# Altium PCB 03200904张晨05.PcbDoc
Units mil, origin at the board's own origin, x right, y up, seen from the top; angles counter-clockwise.
Board outline 1771.65 x 984.25 mil, 2 copper layers (Top Layer, Bottom Layer); 15 components, 36 nets, 101 pads, 15 vias.
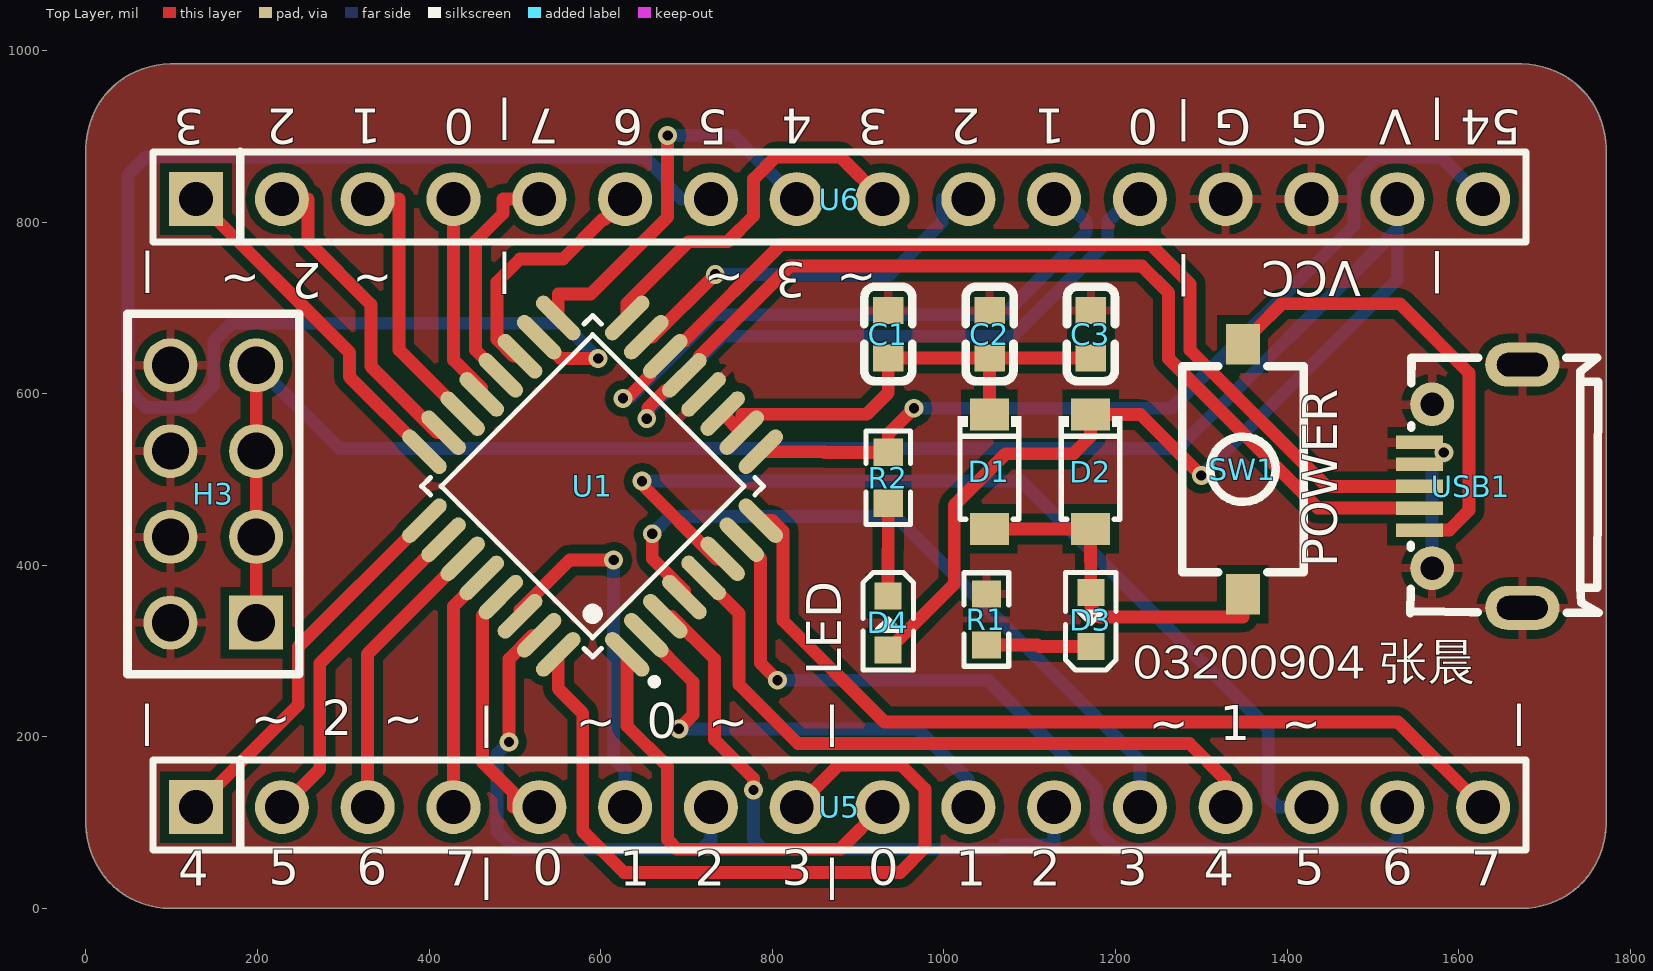
[diagram p0: Top Layer view]
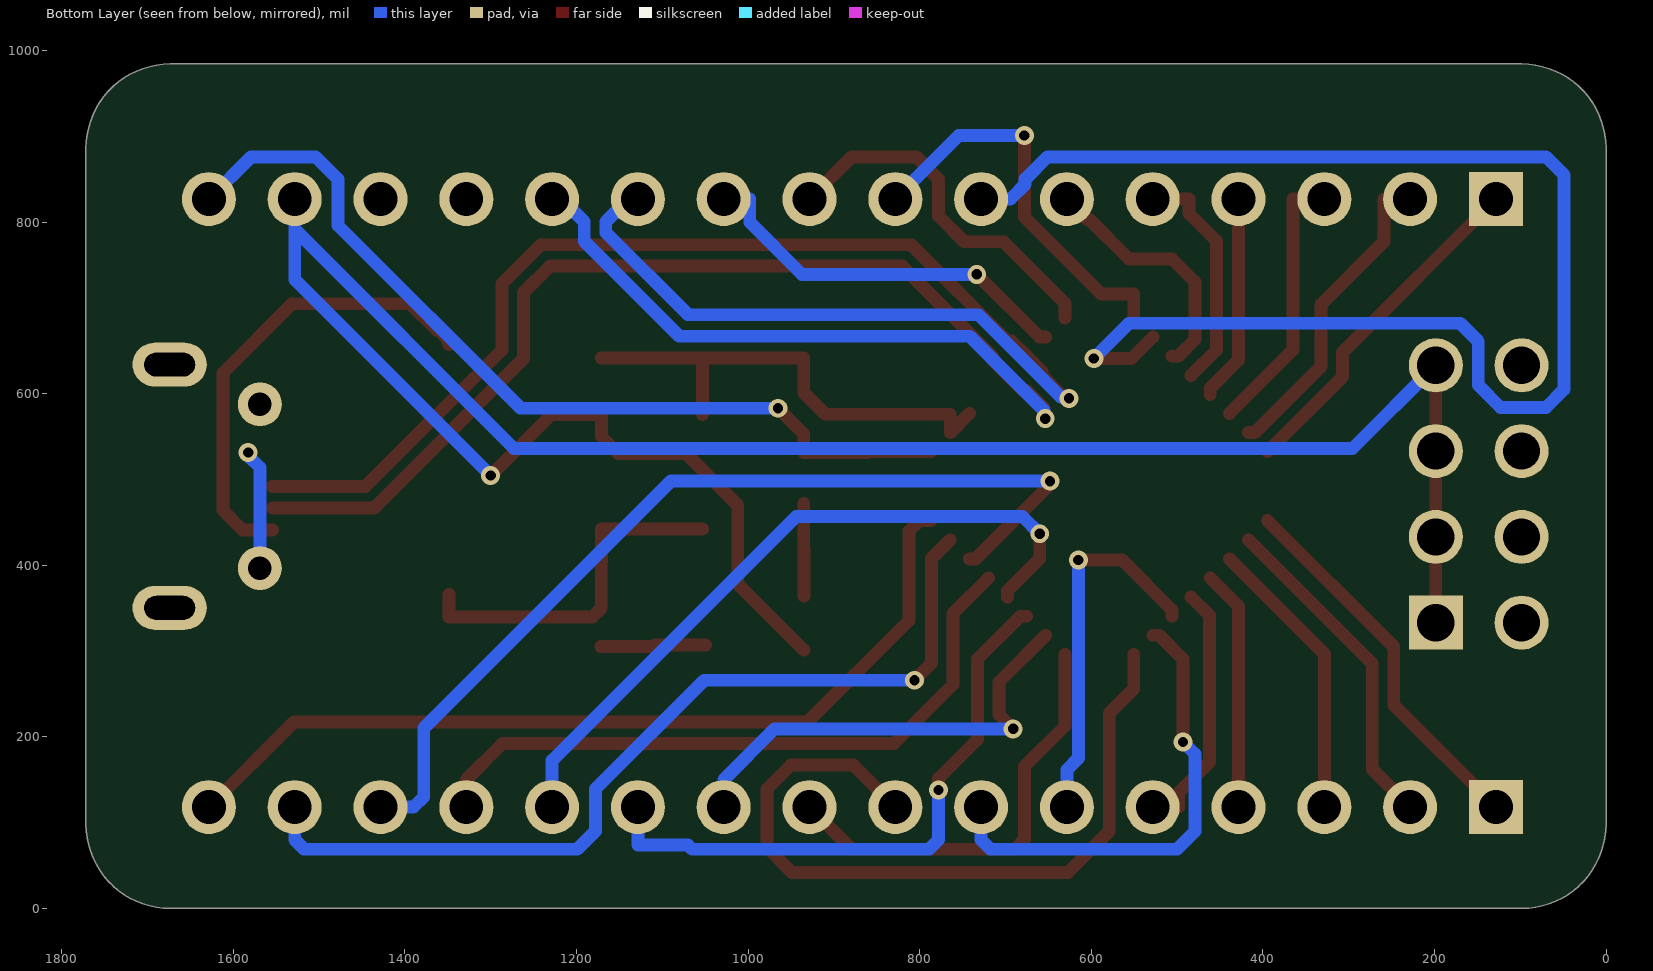
[diagram p1: Bottom Layer view, seen from below]

## Layer stack, top to bottom
Top Solder: solder mask 0.4, Solder Resist, Dk 3.5
Top Layer: signal copper 1.4
Dielectric 1: dielectric 12.6, FR-4, Dk 4.8
Bottom Layer: signal copper 1.4
Bottom Solder: solder mask 0.4, Solder Resist, Dk 3.5

## Board outline
0,98.43 ccw(c98.43,98.43) 98.43,0 1673.23,0 ccw(c1673.23,98.43) 1771.65,98.43 1771.65,885.83 ccw(c1673.23,885.83) 1673.23,984.25 98.43,984.25 ccw(c98.43,885.83) 0,885.83

## Design rules (kind name [scope] priority, off if disabled: settings)
Clearance [All] p1: gap=10 ignorepadtopadclearanceinfootprint=TRUE except(0: Arc-Hole Track-Hole SMDPad-Hole THPad-Hole Via-Hole Fill-Hole Poly-Hole Region-Hole Text-Hole)
DiffPairsRouting [All] p1: maxlimit=10 minlimit=10 mostfreqgap=10 toplayer_minwidth=15 toplayer_maxwidth=15 toplayer_prefwidth=15 bottomlayer_minwidth=15 bottomlayer_maxwidth=15 bottomlayer_prefwidth=15 maxuncoupledlength=500
PolygonConnect [All] p1: connectstyle=Relief reliefconductorwidth=10 reliefentries=4 polygonreliefangle="90 Angle" airgapwidth=10
RoutingVias [All] p1: holewidth=12 width=22 viastyle="Through Hole" minholewidth=12 minwidth=22 maxholewidth=12 maxwidth=22
SolderMaskExpansion [All] p1: expansion=4 istentingtop=FALSE
Width Width_1 [All] p1: maxlimit=20 minlimit=10 preferedwidth=15
Width VCC [InNetClass('vcc')] p2: maxlimit=20 minlimit=10 preferedwidth=15
Width signal [InNetClass('signal')] p3: maxlimit=10 minlimit=10 preferedwidth=10
29 further rules are at their usual default settings.

## Classes and differential pairs
net class signal: NetC1_2 NetD3_1 NetD4_1 P00 P01 P02 P03 P10 P11 P12 P13 P14 P15 P16 P17 P20 P21 P22 P23 P24 P25 P26 P27 P32 P33 P34 P35 P36 P37 P54 "USB N" "USB P"
net class gnd: GND
net class vcc: IN+5V VCC VCC-MCU
differential pair NewDifferentialPair1: +"USB P" -"USB N"

## Components (designator, comment, footprint, x,y, rotation, side; value= is the part's Value field where it differs from the comment)
C1 "Cap" C0603 935.04,669.29 r270 top value=10nF
C2 "Cap" C0603 1053.15,669.29 r270 top value=100nF
C3 "Cap" C0603 1171.15,669.29 r270 top value=100nF
D1 "1N5819W_C727115" SOD-123_L2.8-W1.8-LS3.7-RD 1053,509.04 r270 top
D2 "1N5819W_C727115" SOD-123_L2.8-W1.8-LS3.7-RD 1170.85,509.03 r270 top
D3 "LED0" LED0603 1171.26,336.6 r90 top
D4 "LED0" LED0603 934.83,332.7 r270 top
H3 "2.54-2*4" HDR-TH_8P-P2.54-V-F-R2-C4-S2.54 148.43,483.07 r90 top
R1 "Res1" R0603 1049.52,336.77 r270 top value=1K
R2 "Res1" R0603 935.04,501.97 r270 top value=1K
SW1 "TD-1111SR-2.5H-250" KEY-SMD_2P-L6.0-W3.6-P7.4-LS8.0-L 1348.43,511.81 r270 top
U1 "STC8H1K28-36I-LQFP32" STC8H1K28I-LQFP-32 590.55,492.13 r45 top
U5 "KH-2.54FH90-1X16P-H8.5" HDR-TH_16P-P2.54-V-F-B 878.35,118.11 r0 top
U6 "KH-2.54FH90-1X16P-H8.5" HDR-TH_16P-P2.54-V-F-B 878.35,826.77 r0 top
USB1 "MICROXNJ" MICRO-USB-SMD_MICROXNJ 1614.17,492.13 r90 top

## Footprints (in the part's own frame and the unit in brackets; to place one, negate y for a bottom-side part, rotate by r counter-clockwise, add the part's x,y. Pads: shape width x height; smd on the part's side, far side on the other; paste and mask are expansions set on the pad)
C0603 [mm]
  rect 0.8x0.9 smd: 1(-0.7,0) 2(0.7,0)
  silkscreen extent -1.41,-0.71 1.39,0.72
HDR-TH_8P-P2.54-V-F-R2-C4-S2.54 [mil]
  rect 62.99x62.99 hole 43.31: 1(-150,-50)
  round 62.99 hole 43.31: 2(-150,50) 3(-50,-50) 4(-50,50) 5(50,-50) 6(50,50) 7(150,-50) 8(150,50)
  silkscreen extent -210,-100 210,100
HDR-TH_16P-P2.54-V-F-B [mm]
  rect 1.6x1.6 hole 1: 1(-19.05,0)
  round 1.6 hole 1: 2(-16.51,0) 3(-13.97,0) 4(-11.43,0) 5(-8.89,0) 6(-6.35,0) 7(-3.81,0) 8(-1.27,0) 9(1.27,0) 10(3.81,0) 11(6.35,0) 12(8.89,0) 13(11.43,0) 14(13.97,0) 15(16.51,0) 16(19.05,0)
  silkscreen extent -20.32,-1.27 20.32,1.4
KEY-SMD_2P-L6.0-W3.6-P7.4-LS8.0-L [mm]
  rect 1.2x1 smd: 1(-3.7,0) 2(3.7,0)
  silkscreen extent -3.05,-1.8 3.05,1.8
LED0603 [mm]
  rect 0.8x0.8 smd: 1(-0.799,-0.003) 2(0.799,0.004)
  silkscreen extent -1.49,-0.75 1.39,0.76
MICRO-USB-SMD_MICROXNJ [mm]
  rect 0.4x1.4 smd: 1(-1.3,1.521) 2(-0.65,1.521) 3(0,1.521) 4(0.65,1.521) 5(1.3,1.521)
  round 1.3 hole 0.7: 6(2.425,1.149) 9(-2.425,1.149)
  oval 1.3x2.2 hole 0.7 slot 1.5 at 90 deg: 7(3.6,-1.521) 8(-3.6,-1.521)
  silkscreen extent -3.76,-3.78 3.8,1.79
R0603 [mil]
  rect 31.75x34.02 smd: 1(-29.65,0) 2(29.66,0)
  silkscreen extent -55,-26 55,26
SOD-123_L2.8-W1.8-LS3.7-RD [mm]
  rect 0.95x1.15 smd: 1(-1.693,0) 2(1.693,0)
  silkscreen extent -1.63,-0.94 1.41,0.94
STC8H1K28I-LQFP-32 [mm] "LQFP-32_L7.0-W7.0-P0.80-LS9.0-BL"
  oval 0.448x1.684 smd: 1(-2.8,-4.242) 2(-2,-4.242) 3(-1.2,-4.242) 4(-0.4,-4.242) 5(0.4,-4.242) 6(1.2,-4.242) 7(2,-4.242) 8(2.8,-4.242) 17(2.8,4.242) 18(2,4.242) 19(1.2,4.242) 20(0.4,4.242) 21(-0.4,4.242) 22(-1.2,4.242) 23(-2,4.242) 24(-2.8,4.242)
  oval 1.684x0.448 smd: 9(4.242,-2.8) 10(4.242,-2) 11(4.242,-1.2) 12(4.242,-0.4) 13(4.242,0.4) 14(4.242,1.2) 15(4.242,2) 16(4.242,2.8) 25(-4.242,2.8) 26(-4.242,2) 27(-4.242,1.2) 28(-4.242,0.4) 29(-4.242,-0.4) 30(-4.242,-1.2) 31(-4.242,-2) 32(-4.242,-2.8)
  silkscreen extent -3.58,-5.48 3.58,3.58

## Part data
C1 C2 C3: "Capacitor", LatestRevisionDate=17-Jul-2002, LatestRevisionNote="Re-released for DXP Platform.", PackageDescription="Radial Cap, Thru-Hole; 2 Leads; 0.3 in Pin Spacing", PackageReference=RAD-0.3, Published=8-Jun-2000, Publisher="Altium Limited"
D1 D2: BOM_JLCPCB Part Class="Extended Part", BOM_Manufacturer=TWGMC, BOM_Manufacturer Part=1N5819W, BOM_Supplier=LCSC, BOM_Supplier Part=C727115, Contributor=LCSC, spicePre=D, spiceSymbolName=1N5819W_C727115
D3 D4: library part LED, "Typical INFRARED GaAs LED", LatestRevisionDate=08-Jul-2005, LatestRevisionNote="Mech Layer 1 removed.", PackageDescription="LED; 2 Leads", PackageReference=LED-0, Published=8-Jun-2000, Publisher="Altium Limited"
H3: BOM_Manufacturer=ZHOURI(洲日), BOM_Manufacturer Part=2.54-2*4, BOM_Supplier=LCSC, BOM_Supplier Part=C2977588, Contributor=LCSC, link=https://atta.szlcsc.com/upload/public/pdf/source/20220328/363EB391BC0EB759CF231FC910753CBE.pdf, spicePre=U, spiceSymbolName=2.54-2*4
R1 R2: library part Res, "Resistor", LatestRevisionDate=17-Jul-2002, LatestRevisionNote="Re-released for DXP Platform.", PackageDescription="Axial Device, Thru-Hole; 2 Leads; 0.3 in Pin Spacing", PackageReference=AXIAL-0.3, Published=8-Jun-2000, Publisher="Altium Limited"
SW1: BOM_Manufacturer=DEALON(德艺隆), BOM_Manufacturer Part=TD-1111SR-2.5H-250, BOM_Supplier=LCSC, BOM_Supplier Part=C2905157, Contributor=LCSC, spicePre=S, spiceSymbolName=TD-1111SR-2.5H-250
U1: BOM_JLCPCB Part Class="Extended Part", BOM_Manufacturer="STC Micro", BOM_Manufacturer Part=STC8H1K28-36I-LQFP32, BOM_Supplier=LCSC, BOM_Supplier Part=C914618, Contributor=LCSC, spicePre=U, spiceSymbolName=STC8H1K28-36I-LQFP32
U5 U6: BOM_JLCPCB Part Class="Extended Part", BOM_Manufacturer=kinghelm(金航标), BOM_Manufacturer Part=KH-2.54FH90-1X16P-H8.5, BOM_Supplier=LCSC, BOM_Supplier Part=C2932686, Contributor=LCSC, spicePre=U, spiceSymbolName=KH-2.54FH90-1X16P-H8.5
USB1: BOM_JLCPCB Part Class="Extended Part", BOM_Manufacturer="SHOU HAN", BOM_Manufacturer Part=MicroXNJ, BOM_Supplier=LCSC, BOM_Supplier Part=C404969, Contributor=LCSC, spicePre=U, spiceSymbolName=MICROXNJ

## Via types
v1: diameter 22, hole 12, Top Layer to Bottom Layer, tented both sides, 15 vias

## Nets (pads, with @x,y where several pads share a name; then routed paths per layer and width w, separated by ;. In a path a pad name is that pad's centre, name@x,y a point inside that pad or via, vN(x,y) a via of type N, cw(c..) or ccw(c..) an arc to the next point about the centre after c; other vN are vias at no path point)
GND: C1.1 C2.1 C3.1 H3.2 H3.4 H3.6 H3.8 R1.1 U1.12 U6.13 U6.14 USB1.4 USB1.5 USB1.6 USB1.7 USB1.8 USB1.9 | length 148.3
  Bottom Layer w15: USB1.9@1566.93,389.76 1568.95,391.78 USB1.9 1568.95,513.83 1582.68,527.56 v1(1582.68,531.5)
IN+5V: SW1.1 USB1.1 | length 546.3
  Top Layer w15: SW1.1 1348.43,659.45 1350.39,661.42 1350.39,663.38 1360.61,673.6 1362.58,673.6 1393.7,704.72 1531.5,704.72 1612.04,624.18 1612.04,464.11 1589.09,441.16 1567.14,441.16 1566.93,440.94 USB1.1
NetC1_2: C1.2 C2.2 C3.2 D1.1 U1.10 U1.11 | length 577
  Top Layer w15: U1.11 U1.10 U1.10 764.32,576 910,576 935.04,601.04 C1.2 C2.2 ; D1.1 1053,608 1053.15,608.15 C2.2 ; C3.2 C2.2
NetD3_1: D3.1 R1.2 | length 122.7
  Top Layer w15: R1.2 1109,307.11 1110.98,305.13 D3.1
NetD4_1: D4.1 R2.2 | length 108.3
  Top Layer w15: D4.1 934.69,418 935.04,418.35 R2.2
P00: U1.29 U5.5 | length 299
  Top Layer w15: U1.29 462,341.3 462,171 498,135 498,118.11 U5.5
P01: U1.30 U5.6 | length 433.9
  Top Layer w15: U1.30 505.87,347.95 563.92,406 v1(615,406)
  Bottom Layer w15: v1(615,406) 615,175 628.35,161.65 U5.6
P02: U1.31 U5.7 | length 553.7
  Top Layer w15: v1(493,194) 493,290.54 520.82,318.36 U1.31
  Bottom Layer w15: v1(493,194) 479,180 479,90 500,69 717.35,69 728.35,80 U5.7
P03: U1.32 U5.8 | length 898.5
  Top Layer w15: U1.32 550.41,256 579,227.41 579,90 627,42 949,42 978,71 978,139.11 950,167.11 877.34,167.11 U5.8
P10: U1.1 U5.9 | length 510.9
  Top Layer w15: U1.1 630.7,212.67 678,165.36 678,80 689,69 879.24,69 U5.9
P11: U1.2 U5.10 | length 532.2
  Top Layer w15: U1.2 707.5,263.82 707.5,225.78 v1(691.04,209.32)
  Bottom Layer w15: v1(691.04,209.32) 969.02,209.32 1028.35,150 U5.10
P12: U1.3 U5.11 | length 708.6
  Top Layer w15: U1.3 682.56,340.63 732.5,290.68 732.5,196.95 778,151.45 v1(778,138)
  Bottom Layer w15: v1(778,138) 778,80 789,69 1065,69 1070,74 1128.35,74 U5.11
P13: U1.4 U5.12 | length 838
  Top Layer w15: v1(660,436.75) 660,407.73 697.51,370.22 U1.4
  Bottom Layer w15: v1(660,436.75) 680,456.75 943.89,456.75 1228.35,172.29 U5.12
P14: U1.5 U5.13 | length 786.5
  Top Layer w15: U1.5 761,343.95 761,261 829.89,192.11 1286.24,192.11 1328.35,150 U5.13
P15: U1.6 U5.14 | length 1119.8
  Top Layer w15: v1(648.17,498) 646.17,496 734.73,407.44 U1.6
  Bottom Layer w15: v1(648.17,498) 1090,498 1378,210 1378,130 1389.89,118.11 U5.14
P16: U1.7 U5.15 | length 1056.4
  Top Layer w15: U1.7 786,408.03 786,286 v1(806,266)
  Bottom Layer w15: v1(806,266) 1051.11,266 1178,139.11 1178,90 1199,69 1517.35,69 1528.35,80 U5.15
P17: U1.8 U5.16 | length 1041.1
  Top Layer w15: U1.8 800.28,451.98 812.26,440 812.26,335.74 930.89,217.11 1529.35,217.11 U5.16
P20: U1.21 U6.4 | length 241.3
  Top Layer w15: U6.4 428.35,639.38 461.32,606.4 U1.21
P21: U1.22 U6.3 | length 317.3
  Top Layer w15: U6.3 365,826.77 365,650.86 U1.22
P22: U1.23 U6.2 | length 372.5
  Top Layer w15: U6.2 259,826.77 259,777 332,704 332,632 409.46,554.54 U1.23
P23: U1.24 U6.1 | length 404.8
  Top Layer w15: U6.1 307,648.12 307,619.78 U1.24
P24: U1.25 U5.1 | length 444.1
  Top Layer w15: U5.1 247.42,237.19 247.42,304.89 U1.25
P25: U1.26 U5.2 | length 389.7
  Top Layer w15: U5.2 272.42,162.19 272.42,285.35 U1.26
P26: U1.27 U5.3 | length 335.2
  Top Layer w15: U5.3 328.35,296.73 U1.27
P27: U1.28 U5.4 | length 280.7
  Top Layer w15: U5.4 428.35,352.19 U1.28
P32: U1.15 U6.10 | length 457.7
  Top Layer w15: U1.15 660.29,665.9 v1(733.39,739)
  Bottom Layer w15: v1(733.39,739) 937,739 998,800 998,826.77 U6.10
P33: U1.16 U6.9 | length 431.1
  Top Layer w15: U1.16 630.7,705.35 702.34,777 748,777 778,807 778,850 804,876 879.12,876 U6.9
P34: U1.17 U6.8 | length 468.6
  Top Layer w15: U1.17 550.41,716.05 588.28,716.05 678,805.78 v1(678,900.77)
  Bottom Layer w15: v1(678,900.77) 754.35,900.77 U6.8
P35: U1.18 U6.7 | length 1685.4
  Top Layer w15: U1.18 553.03,641 v1(597,641)
  Bottom Layer w15: v1(597,641) 555.93,682.07 170,682.07 149,661.07 149,610 123,584 70,584 49,605 49,855 70,876 651,876 677,850 677,844 694.23,826.77 U6.7
P36: U1.19 U6.6 | length 291.2
  Top Layer w15: U1.19 498.54,643.63 479,663.17 479,730 506,757 556,757 601.78,802.78 604.35,802.78 U6.6
P37: U1.20 U6.5 | length 273.3
  Top Layer w15: U1.20 454,650.95 454,778 486,810 486,826.77 U6.5
P54: R2.1 U1.9 U6.16 | length 1049.2
  Top Layer w15: U1.9 860,532.27 860.65,531.62 R2.1 935.04,553.04 v1(965,583)
  Bottom Layer w15: v1(965,583) 1265,583 1478,796 1478,850 1504,876 1579.12,876 U6.16
"USB N": U1.14 U6.11 USB1.3 | length 1848
  Top Layer w15: v1(625.98,594.49) 627.88,594.49 631.38,597.99 634.19,597.99 657.53,621.32 657.53,625.92 U1.14 692.95,661.34 697.54,661.34 809.79,773.58 1241.25,773.58 1286.85,727.99 1286.85,651 1446.02,491.83 1519.39,491.83 1519.47,491.91 1554.06,491.91 USB1.3
  Bottom Layer w15: v1(625.98,594.49) 627.32,595.83 635.21,595.83 731.26,691.88 1069.82,691.88 1165.85,787.91 1165.85,800.34 1139.41,826.77 U6.11
"USB P": U1.13 U6.12 USB1.2 | length 1844.3
  Top Layer w15: v1(653.54,570.87) 654.88,572.21 654.88,583.32 675.21,603.65 679.8,603.65 U1.13 715.22,639.06 715.22,643.66 820.14,748.58 1230.9,748.58 1261.85,717.63 1261.85,640.65 1435.67,466.83 1519.39,466.83 1519.47,466.75 1554.06,466.75 USB1.2
  Bottom Layer w15: v1(653.54,570.87) 654.88,572.21 654.88,580.15 741.62,666.88 1080.18,666.88 1190.85,777.55 1190.85,800.34 1217.28,826.77 U6.12
VCC: D2.1 D4.2 H3.1 H3.3 H3.5 H3.7 U6.15 | length 2769.6
  Top Layer w15: H3.1 H3.3 H3.5 H3.7 ; D4.2 1012,378.26 1012,470 1072,530 1150.85,530 1170.85,550 D2.1 1229,575.67 v1(1300,504.67)
  Bottom Layer w15: H3.7 295.5,536 1272.77,536 1528.35,791.57 ; v1(1300,504.67) 1528.35,733.02 1528.35,791.57 ; U6.15 1528.35,791.57
VCC-MCU: D1.2 D2.2 D3.2 SW1.2 | length 418.4
  Top Layer w15: D1.2 D2.2 1170.85,405.27 1171.12,405 D3.2 1171.12,350 1181.47,339.65 1348.43,339.65 SW1.2

## Polygon pours and split planes (outlines as drawn)
GND on Top Layer "GND_L01_P000" (solid, pour order 0): 0,98.43 ccw(c98.43,98.43) 98.43,0 1673.23,0 ccw(c1673.23,98.43) 1771.65,98.43 1771.65,885.83 ccw(c1673.23,885.83) 1673.23,984.25 98.43,984.25 ccw(c98.43,885.83) 0,885.83

## Silkscreen, mask and mechanical layers (free items; w line width, h text height)
Top Overlay:
  text "3" at 137.63,944.68 h70 r180
  text "2" at 245.83,945.39 h70 r180
  text "1" at 344.32,945.39 h70 r180
  text "0" at 452.72,944.68 h70 r180
  text "7" at 551.02,945.39 h70 r180
  text "6" at 649.64,944.55 h70 r180
  text "5" at 747.8,944.55 h70 r180
  text "4" at 846.23,945.39 h70 r180
  text "3" at 934.88,944.68 h70 r180
  text "2" at 1043.08,945.39 h70 r180
  text "1" at 1141.57,945.39 h70 r180
  text "0" at 1249.97,944.68 h70 r180
  text "G" at 1358.04,944.55 h70 r180
  text "G" at 1446.62,944.55 h70 r180
  text "V" at 1545.11,944.55 h70 r180
  text "54" at 1673,944.55 h70 r180
  text "|" at 497.26,944.34 h70 r180
  text "|" at 1584.42,944.34 h70 r180
  text "|" at 1288.83,942.46 h70 r180
  text "VCC" at 1486.5,767.82 h70 r180
  text "|" at 81.28,765.73 h70 r180
  text "~  2  ~" at 357.56,765.56 h70 r180
  text "~  3  ~" at 921.54,766.33 h70 r180
  text "|" at 1584.42,765.65 h70 r180
  text "|" at 497.26,764.67 h70 r180
  text "|" at 1288.83,761.72 h70 r180
  text "POWER" at 1471.73,397.64 h70 r90
  text "LED" at 893.7,271.65 h70 r90
  text "03200904 张晨" at 1220.34,254.45 h70
  text "|" at 80.64,237.78 h70 r180
  text "|" at 1679.96,237.94 h70 r180
  text "|" at 878.87,236.8 h70 r180
  text "|" at 476.31,235.81 h70 r180
  text "~  2  ~" at 191.83,188.66 h70
  text "~  0  ~" at 570.77,184.93 h70
  text "~  1  ~" at 1238.43,182.73 h70
  text "|" at 476.31,58.65 h70 r180
  text "|" at 878.87,58.65 h70 r180
  text "5" at 212.85,13.99 h70
  text "6" at 315.49,13.99 h70
  text "0" at 520.66,13.86 h70
  text "3" at 810.98,13.86 h70
  text "0" at 911.81,13.86 h70
  text "3" at 1202.13,13.86 h70
  text "5" at 1408.46,13.99 h70
  text "6" at 1511.11,13.99 h70
  text "4" at 107.35,13.14 h70
  text "7" at 418.73,13.14 h70
  text "1" at 622.4,13.14 h70
  text "2" at 709.56,13.14 h70
  text "1" at 1013.55,13.14 h70
  text "2" at 1100.71,13.14 h70
  text "4" at 1302.96,13.14 h70
  text "7" at 1614.34,13.14 h70
Mechanical 1:
  the board outline again, w30